# Allegro board RK_EVB1_RK3576_LP4XD200P132SD6_V12_20240530YWQ.brd (continued)
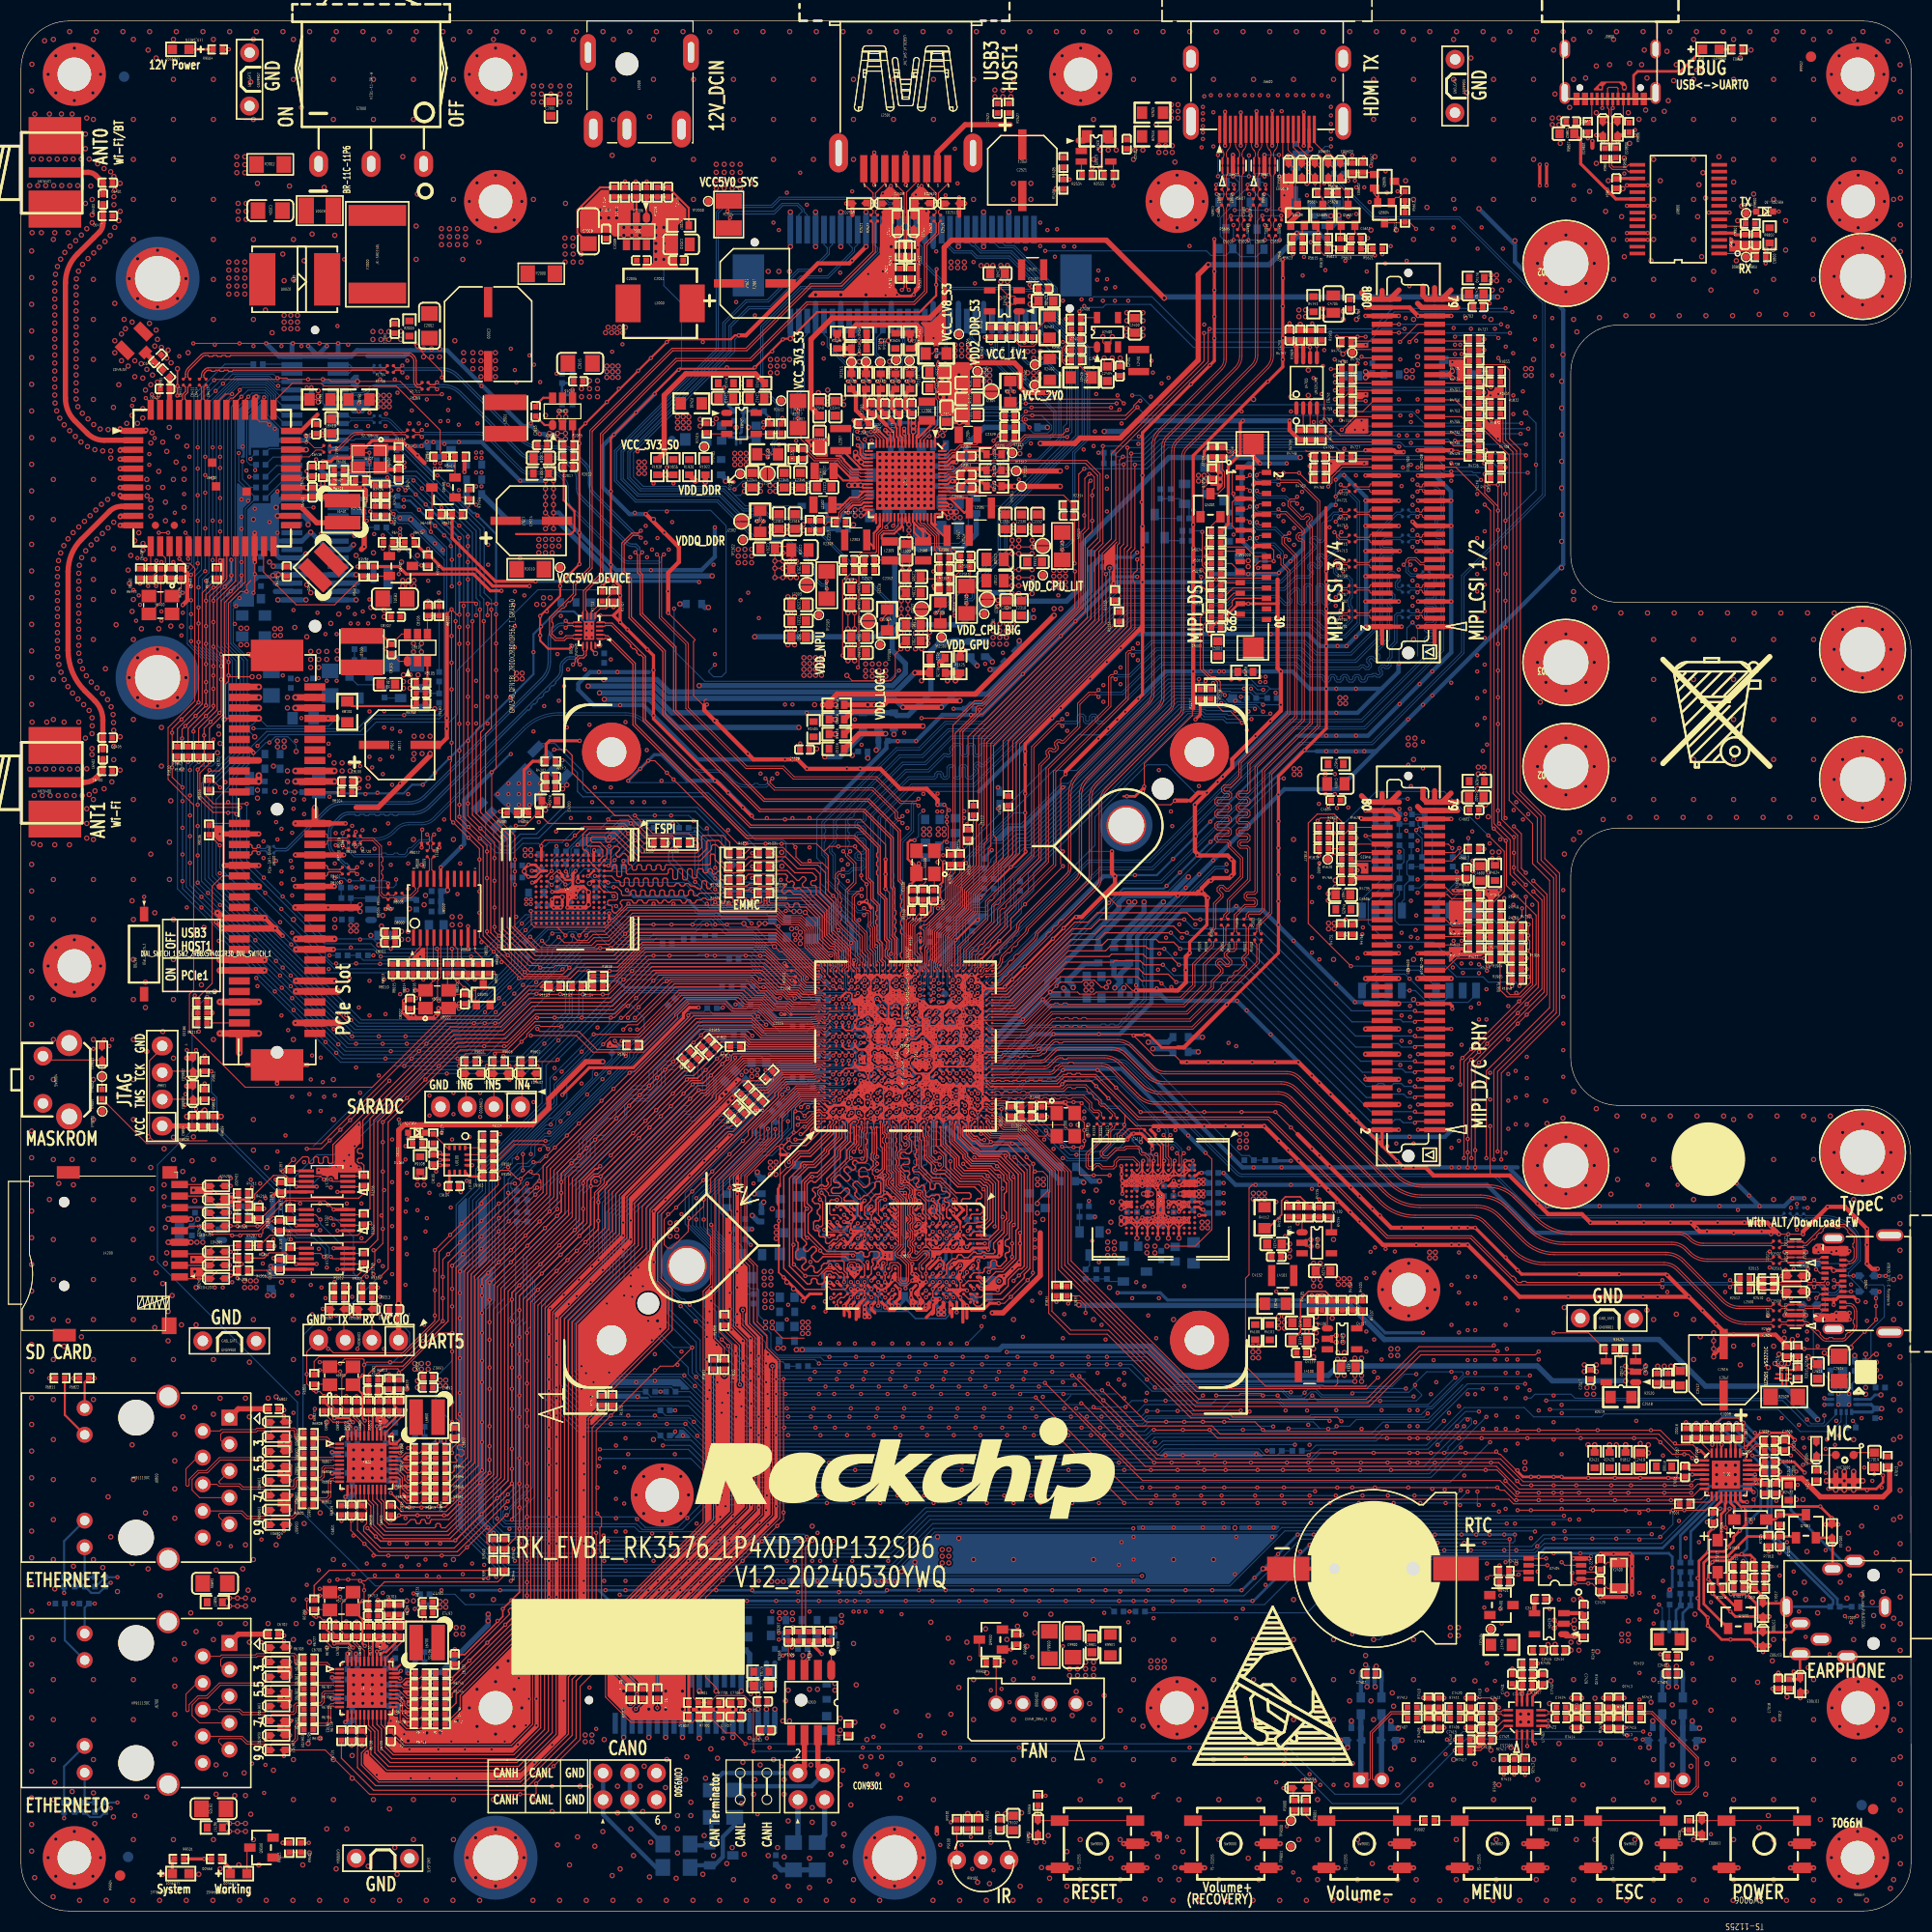
[diagram p0: board, top side]
## Routing (per net, layer and track width the routed paths; a pad name or vN(x,y) marks a point on that pad's centre or on a via; arc(x,y) is an arc through that point) (continued)
MIPI_DPHY_CSI0_RX_CLKN/MIPI_CPHY_CSI_RX_TRIO1_B: length 49.8
  TOP w0.114: CON4600.15 132.88,80 v1(132.76,79.88) ; v1(108.88,91.64) 107.36,91.64 107.1,91.89 103.74,91.89 103.29,91.44 99.75,91.44 94.53,86.22 U1000.AL22
  BOTTOM w0.114: v1(132.76,79.88) 131.87,79.88 131.55,80.19 130.66,80.19 130.34,79.88 127.75,79.88 116.88,90.75 109.77,90.75 v1(108.88,91.64)
MIPI_DPHY_CSI0_RX_CLKP/MIPI_CPHY_CSI_RX_TRIO1_C: length 50.2
  TOP w0.102: 92.62,86.49 92.22,86.49 U1000.AK22
  TOP w0.114: v1(110.4,91.64) 109.77,92.27 108.37,92.27 108.12,92.53 103.49,92.53 102.95,91.98 99.87,91.98 94.38,86.49 92.62,86.49 ; CON4600.17 132.88,80.8 v1(132.76,80.93)
  BOTTOM w0.114: v1(110.4,91.64) 116.88,91.64 127.59,80.93 v1(132.76,80.93)
MIPI_DPHY_CSI0_RX_D0N/MIPI_CPHY_CSI_RX_TRIO0_A: length 50
  TOP w0.114: CON4600.3 132.88,75.2 v1(132.76,75.08) ; v1(108.63,88.34) 108.37,88.59 106.72,88.59 106.34,88.97 98.98,88.97 95.12,85.12 U1000.AL20
  BOTTOM w0.114: v1(108.63,88.34) 109.39,87.57 116.12,87.57 128.62,75.08 129.04,75.08 129.34,75.38 129.8,75.38 130.1,75.08 130.56,75.08 130.86,75.38 131.32,75.38 131.63,75.08 v1(132.76,75.08)
MIPI_DPHY_CSI0_RX_D0P/MIPI_CPHY_CSI_RX_TRIO0_B: length 50.3
  TOP w0.102: 92.75,85.39 92.22,85.39 U1000.AK20
  TOP w0.114: 92.75,85.39 94.97,85.39 99.31,89.73 106.47,89.73 106.97,89.23 109.26,89.23 v1(110.02,88.46) ; CON4600.5 132.88,76 v1(132.76,76.13)
  BOTTOM w0.114: v1(110.02,88.46) 116.25,88.46 128.58,76.13 v1(132.76,76.13)
MIPI_DPHY_CSI0_RX_D1N/MIPI_CPHY_CSI_RX_TRIO0_C: length 49.8
  TOP w0.114: CON4600.9 132.88,77.6 v1(132.76,77.48) ; v1(108.75,90.11) 106.97,90.11 106.59,90.5 104.16,90.5 104.03,90.37 99.52,90.37 94.82,85.67 U1000.AL21
  BOTTOM w0.114: v1(132.76,77.48) 131.99,77.48 131.68,77.8 130.41,77.8 130.09,77.48 128.12,77.48 116.5,89.1 109.77,89.1 v1(108.75,90.11)
MIPI_DPHY_CSI0_RX_D1P/MIPI_CPHY_CSI_RX_TRIO1_A: length 50.7
  TOP w0.102: 92.75,85.94 92.22,85.94 U1000.AK21
  TOP w0.114: 92.75,85.94 94.67,85.94 99.64,90.91 103.63,90.91 103.86,91.13 106.85,91.13 107.23,90.75 109.64,90.75 v1(110.28,90.11) ; CON4600.11 132.88,78.4 v1(132.76,78.53)
  BOTTOM w0.114: v1(110.28,90.11) 116.5,90.11 128.08,78.53 128.98,78.53 129.26,78.81 129.72,78.81 130,78.53 130.47,78.53 130.75,78.81 131.46,78.81 131.74,78.53 v1(132.76,78.53)
MIPI_DPHY_CSI0_RX_D2N/MIPI_CPHY_CSI_RX_TRIO2_A: length 49.6
  TOP w0.114: v1(109.51,93.16) 103.25,93.16 102.61,92.52 99.98,92.52 94.23,86.77 U1000.AL23 ; CON4600.21 132.88,82.4 v1(132.76,82.28)
  BOTTOM w0.114: v1(109.51,93.16) 110.4,92.27 117.13,92.27 127.13,82.28 130.22,82.28 130.56,82.62 131.14,82.62 131.49,82.28 v1(132.76,82.28)
MIPI_DPHY_CSI0_RX_D2P/MIPI_CPHY_CSI_RX_TRIO2_B: length 50
  TOP w0.102: 92.75,87.04 92.22,87.04 U1000.AK23
  TOP w0.114: v1(132.76,83.33) 132.88,83.2 CON4600.23 ; 92.75,87.04 94.08,87.04 100.1,93.06 102.27,93.06 103,93.8 109.77,93.8 110.4,93.16 v1(111.04,93.16)
  BOTTOM w0.114: v1(132.76,83.33) 127.09,83.33 117.52,92.91 111.29,92.91 v1(111.04,93.16)
MIPI_DPHY_CSI0_RX_D3N/MIPI_CPHY_CSI_RX_TRIO2_C: length 49.4
  TOP w0.114: CON4600.27 132.88,84.8 v1(132.76,84.68) ; U1000.AL24 93.93,87.32 100.16,93.54 101.87,93.54 102.76,94.43 v1(110.78,94.43)
  BOTTOM w0.114: v1(110.78,94.43) 111.67,93.54 117.9,93.54 126.76,84.68 130.34,84.68 130.57,84.91 131.38,84.91 131.61,84.68 v1(132.76,84.68)
MIPI_DPHY_CSI0_RX_D3P/NO_USE: length 49.8
  TOP w0.102: U1000.AK24 92.22,87.59 92.75,87.59 92.75,87.59
  TOP w0.114: 92.75,87.59 93.78,87.59 100.37,94.18 101.62,94.18 102.51,95.07 111.04,95.07 111.67,94.43 v1(112.31,94.43) ; CON4600.29 132.88,85.6 v1(132.76,85.73)
  BOTTOM w0.114: v1(112.31,94.43) 118.02,94.43 126.72,85.73 v1(132.76,85.73)
MIPI_DPHY_CSI1/2_PWREN_H: length 214.5
  TOP w0.102: R4734.1 139.23,147.26 141.26,147.26 141.77,146.76 141.77,140.21 142.8,139.18 142.8,106.61 145.13,104.29 145.13,100.22 146.53,98.82 146.53,85.35 140.98,79.8 v1(140.98,71.57)
  TOP w0.114: R1940.2 v1(45.51,35.39) R1942.2
  L4-SIG w0.102: v1(140.76,38.04) 140.98,38.27 v1(140.98,71.57)
  BOTTOM w0.102: v1(140.76,38.04) 86.27,38.04 82.68,34.45 54.81,34.45 53.92,35.35 45.55,35.35 v1(45.51,35.39)
MIPI_DPHY_CSI1_CAM_CLKOUT: length 238.5
  TOP w0.102: v1(137.43,71.7) 137.43,80.89 144.5,87.97 144.5,96.05 141.82,98.73 141.82,102.02 140.28,103.56 140.28,133.86 136.63,137.52 CON4700.39
  L4-SIG w0.102: v1(137.43,46.17) v1(137.43,71.7)
  BOTTOM w0.102: v1(137.43,46.17) 133.61,42.36 67.81,42.36 63.42,46.75 53.6,46.75 50.64,49.71 50.64,56.77 55.36,61.49 55.36,67.47 63.53,75.64 64.05,75.64 65.98,77.57 65.98,79.35 67.65,81.02 67.65,81.51 67.79,81.66 71.24,81.66 71.47,81.43 R1952.2
MIPI_DPHY_CSI1_PDN_H: length 246
  TOP w0.102: R4730.1 141.73,138.66 141.73,105.78 143.96,103.55 143.96,99.76 145.58,98.14 145.58,86.03 139.56,80.01 v1(139.56,71.7) ; U1000.1C12 v1(77.94,81.47)
  L4-SIG w0.102: v1(139.56,47.06) v1(139.56,71.7)
  BOTTOM w0.102: v1(77.94,81.47) 77.55,81.86 67.49,81.86 65.32,79.69 65.32,77.88 63.62,76.18 63.15,76.18 54.53,67.55 54.53,62.64 49.92,58.04 49.92,49.28 53.17,46.04 63.14,46.04 67.52,41.65 134.15,41.65 v1(139.56,47.06)
MIPI_DPHY_CSI1_PWM: length 1.2
  TOP w0.102: R1831.2 R4755.1
MIPI_DPHY_CSI1_RX_CLKN: length 74.1
  TOP w0.089: v1(90.5,88.62) U1000.1AC23
  BOTTOM w0.089: R4708.1 134.29,127.34 134.52,127.34 134.79,127.07 134.79,126.2 134.57,125.98 133.96,125.98 133.87,125.9 133.87,125.72 133.96,125.63 134.57,125.63 134.79,125.41 134.79,125.05 134.57,124.83 133.96,124.83 133.87,124.74 133.87,124.56 133.96,124.47 134.57,124.47 134.79,124.25 134.79,123.89 134.57,123.67 133.96,123.67 133.87,123.58 133.87,123.4 133.96,123.31 134.57,123.31 134.79,123.09 134.79,122.73 134.57,122.51 133.96,122.51 133.87,122.42 133.87,122.06 133.96,121.97 134.44,121.97 134.66,121.75 134.66,121.39 134.44,121.17 133.96,121.17 133.87,121.08 133.87,120.9 133.96,120.81 134.44,120.81 134.66,120.59 134.66,120.23 134.44,120.01 133.96,120.01 133.87,119.92 133.87,119.39 127.74,113.26 120.91,113.26 107.52,99.87 101.68,99.87 95.05,93.24 95.05,93.05 94.85,92.85 94.66,92.85 94.46,92.65 94.46,92.46 94.27,92.27 94.08,92.27 93.88,92.07 93.88,91.88 93.68,91.68 93.49,91.68 93.29,91.48 93.29,91.29 93.1,91.1 92.91,91.1 92.26,90.45 92.26,90.26 92.06,90.06 91.87,90.06 91.68,89.87 90.78,89.87 90.18,89.27 90.18,89.08 90.5,88.76 v1(90.5,88.62)
MIPI_DPHY_CSI1_RX_CLKP: length 73.9
  TOP w0.089: v1(90.54,88.07) U1000.1AC22
  BOTTOM w0.089: R4710.1 134.29,127.11 134.43,127.11 134.56,126.98 134.56,126.3 134.48,126.21 133.86,126.21 133.64,125.99 133.64,125.63 133.86,125.41 134.48,125.41 134.56,125.32 134.56,125.14 134.48,125.05 133.86,125.05 133.64,124.83 133.64,124.47 133.86,124.25 134.48,124.25 134.56,124.16 134.56,123.98 134.48,123.89 133.86,123.89 133.64,123.67 133.64,123.31 133.86,123.09 134.48,123.09 134.56,123 134.56,122.82 134.48,122.73 133.86,122.73 133.64,122.51 133.64,121.97 133.86,121.75 134.35,121.75 134.44,121.66 134.44,121.48 134.35,121.39 133.86,121.39 133.64,121.17 133.64,120.81 133.86,120.59 134.35,120.59 134.44,120.5 134.44,120.32 134.35,120.23 133.86,120.23 133.64,120.02 133.64,119.48 127.64,113.48 120.82,113.48 107.43,100.1 101.59,100.1 91.58,90.09 90.69,90.09 89.96,89.36 89.96,88.99 90.15,88.8 90.15,88.46 v1(90.54,88.07)
MIPI_DPHY_CSI1_RX_D0N: length 73.8
  TOP w0.089: v1(99.17,112.86) 98.95,113.08 98.75,113.08 96.46,110.79 96.46,100.45 92.67,96.66 92.67,96.47 92.47,96.27 92.28,96.27 92.09,96.07 92.09,94.4 89.46,91.78 89.46,89.79 U1000.AE28
  BOTTOM w0.089: R4700.1 131.37,123.4 131.13,123.4 131.04,123.31 131.04,120.82 130.57,120.35 130.57,119.37 130.35,119.15 130.35,119.02 130.49,118.89 130.49,118.58 130.23,118.32 129.92,118.32 129.79,118.45 129.66,118.45 129.54,118.33 129.54,118.2 129.67,118.07 129.67,117.76 129.41,117.5 129.1,117.5 128.97,117.63 128.84,117.63 128.74,117.53 128.31,117.53 128.22,117.44 128.22,117.26 128,117.04 127.64,117.04 127.42,117.26 127.42,117.44 127.33,117.53 127.15,117.53 127.06,117.44 127.06,117.26 126.84,117.04 126.48,117.04 126.26,117.26 126.26,117.44 126.17,117.53 125.99,117.53 125.9,117.44 125.9,117.26 125.68,117.04 125.32,117.04 125.1,117.26 125.1,117.44 125.01,117.53 124.83,117.53 124.74,117.44 124.74,117.26 124.52,117.04 124.16,117.04 123.94,117.26 123.94,117.44 123.85,117.53 122.49,117.53 121.34,118.68 108.75,118.68 103.15,113.08 102.55,113.08 102.33,113.3 102.33,113.68 102.24,113.77 102.06,113.77 101.98,113.68 101.98,113.3 101.76,113.08 101.39,113.08 101.17,113.3 101.17,113.68 101.08,113.77 100.91,113.77 100.82,113.68 100.82,113.3 100.6,113.08 99.39,113.08 v1(99.17,112.86)
MIPI_DPHY_CSI1_RX_D0P: length 73.4
  TOP w0.089: v1(99.17,113.52) 98.95,113.31 98.66,113.31 96.24,110.89 96.24,100.54 91.86,96.17 91.86,94.49 89.24,91.87 89.24,90.11 U1000.AE29
  BOTTOM w0.089: R4704.1 131.37,123.63 131.04,123.63 130.82,123.41 130.82,120.91 130.35,120.45 130.35,119.46 130.13,119.24 130.13,118.93 130.26,118.8 130.26,118.67 130.14,118.55 130.01,118.55 129.88,118.68 129.57,118.68 129.31,118.42 129.31,118.11 129.44,117.98 129.44,117.85 129.32,117.73 129.19,117.73 129.06,117.86 128.75,117.86 128.65,117.76 128.21,117.76 127.99,117.54 127.99,117.35 127.91,117.26 127.73,117.26 127.64,117.35 127.64,117.54 127.42,117.76 127.06,117.76 126.84,117.54 126.84,117.35 126.75,117.26 126.57,117.26 126.48,117.35 126.48,117.54 126.26,117.76 125.9,117.76 125.68,117.54 125.68,117.35 125.59,117.26 125.41,117.26 125.32,117.35 125.32,117.54 125.1,117.76 124.74,117.76 124.52,117.54 124.52,117.35 124.43,117.26 124.25,117.26 124.16,117.35 124.16,117.54 123.94,117.76 122.58,117.76 121.43,118.91 108.66,118.91 103.06,113.31 102.64,113.31 102.55,113.39 102.55,113.77 102.33,113.99 101.97,113.99 101.75,113.77 101.75,113.39 101.66,113.31 101.49,113.31 101.4,113.39 101.4,113.77 101.18,113.99 100.81,113.99 100.59,113.77 100.59,113.39 100.5,113.31 99.39,113.31 v1(99.17,113.52)
MIPI_DPHY_CSI1_RX_D1N: length 76
  TOP w0.089: v1(102.62,115.63) 102.4,115.85 101.78,115.85 100.85,114.91 100.85,112.74 99.33,111.22 99.02,111.22 98.91,111.33 98.79,111.33 98.66,111.2 98.66,111.08 98.77,110.97 98.77,110.66 98.51,110.41 98.2,110.41 98.09,110.51 97.97,110.51 97.84,110.38 97.84,110.26 97.95,110.15 97.95,109.84 97.16,109.05 97.16,100.16 93.25,96.26 93.25,96.07 93.05,95.87 92.86,95.87 92.66,95.67 92.66,94.16 90.01,91.5 90.01,89.79 U1000.AF28
  BOTTOM w0.089: v1(102.62,115.63) 102.84,115.85 104.93,115.85 108.46,119.38 121.63,119.38 122.77,118.23 127.47,118.23 127.69,118.45 127.82,118.45 128.04,118.23 128.36,118.23 128.61,118.48 128.61,118.79 128.39,119.02 128.39,119.15 128.51,119.27 128.64,119.27 128.86,119.05 129.17,119.05 129.43,119.3 129.43,119.61 129.2,119.84 129.2,119.96 130.35,121.11 130.35,123.65 130.57,123.87 130.57,124.18 130.35,124.4 130.35,124.66 130.44,124.75 130.63,124.75 130.85,124.97 130.85,125.33 130.63,125.55 130.44,125.55 130.35,125.64 130.35,127.25 130.44,127.34 130.65,127.34 131.11,126.88 131.11,126.75 130.88,126.53 130.88,126.02 131.1,125.8 131.37,125.8 R4706.1
MIPI_DPHY_CSI1_RX_D1P: length 75.6
  TOP w0.089: v1(102.62,116.29) 102.4,116.07 101.69,116.07 100.62,115.01 100.62,112.84 99.24,111.45 99.11,111.45 99.01,111.55 98.7,111.55 98.44,111.3 98.44,110.99 98.54,110.88 98.54,110.76 98.42,110.63 98.29,110.63 98.19,110.73 97.88,110.73 97.62,110.48 97.62,110.17 97.72,110.06 97.72,109.94 96.93,109.14 96.93,100.26 92.44,95.76 92.44,94.25 89.79,91.59 89.79,90.11 U1000.AF29
  BOTTOM w0.089: R4703.1 131.37,126.03 131.19,126.03 131.1,126.12 131.1,126.44 131.33,126.66 131.33,126.97 130.74,127.56 130.34,127.56 130.12,127.34 130.12,125.55 130.34,125.33 130.54,125.33 130.63,125.24 130.63,125.06 130.54,124.98 130.34,124.98 130.12,124.76 130.12,124.31 130.35,124.09 130.35,123.96 130.12,123.74 130.12,121.2 128.98,120.06 128.98,119.75 129.21,119.52 129.21,119.39 129.08,119.27 128.96,119.27 128.73,119.49 128.42,119.49 128.16,119.24 128.16,118.93 128.39,118.7 128.39,118.58 128.26,118.45 128.14,118.45 127.91,118.68 127.6,118.68 127.38,118.45 122.87,118.45 121.72,119.6 108.37,119.6 104.84,116.07 102.84,116.07 v1(102.62,116.29)
MIPI_DPHY_CSI1_RX_D2N/MIPI_DPHY_CSI2_RX_D0N: length 75.2
  TOP w0.089: v1(104.25,117.31) 104.03,117.53 103.89,117.53 103.8,117.44 103.8,114.71 97.85,108.76 97.85,99.88 93.81,95.84 93.81,95.65 93.62,95.45 93.43,95.45 93.23,95.26 93.23,93.89 91.8,92.47 91.8,92.28 91.59,92.06 91.4,92.06 91.18,91.85 91.18,91.66 90.97,91.44 90.78,91.44 90.56,91.23 90.56,89.79 U1000.AG28
  BOTTOM w0.089: R4712.1 131.37,130.6 130,130.6 129.65,130.26 129.65,129.97 129.74,129.88 130.5,129.88 130.72,129.66 130.72,129.3 130.5,129.08 129.74,129.08 129.65,128.99 129.65,121.43 127.15,118.92 123.06,118.92 121.91,120.07 108.17,120.07 105.63,117.53 104.47,117.53 v1(104.25,117.31)
MIPI_DPHY_CSI1_RX_D2P/MIPI_DPHY_CSI2_RX_D0P: length 74.6
  TOP w0.089: v1(104.25,117.97) 104.03,117.75 103.8,117.75 103.58,117.53 103.58,114.81 97.63,108.86 97.63,99.97 93,95.35 93,93.99 90.34,91.32 90.34,90.11 U1000.AG29
  BOTTOM w0.089: R4714.1 131.37,130.83 129.91,130.83 129.43,130.35 129.43,129.88 129.65,129.66 130.41,129.66 130.5,129.57 130.5,129.39 130.41,129.3 129.65,129.3 129.43,129.08 129.43,121.52 127.05,119.15 123.15,119.15 122.01,120.29 108.08,120.29 105.54,117.75 104.47,117.75 v1(104.25,117.97)
MIPI_DPHY_CSI1_RX_D3N/MIPI_DPHY_CSI2_RX_D1N: length 74.6
  TOP w0.089: v1(105.9,119.6) 105.68,119.81 105.56,119.81 105.45,119.71 105.45,115.38 98.54,108.48 98.54,99.59 93.92,94.97 93.92,93.7 92.35,92.13 92.35,91.94 92.14,91.72 91.95,91.72 91.73,91.51 91.73,91.32 91.52,91.1 91.33,91.1 91.11,90.89 91.11,89.96 90.84,89.69 U1000.AH28
  BOTTOM w0.089: R4716.1 131.37,133 131.07,133 128.96,130.9 128.96,121.88 126.7,119.62 123.35,119.62 122.2,120.76 107.74,120.76 106.79,119.81 106.12,119.81 v1(105.9,119.6)
MIPI_DPHY_CSI1_RX_D3P/MIPI_DPHY_CSI2_RX_D1P: length 74.1
  TOP w0.089: v1(105.9,120.25) 105.68,120.04 105.46,120.04 105.23,119.8 105.23,115.48 98.32,108.57 98.32,99.68 93.7,95.06 93.7,93.79 90.89,90.98 90.89,90.11 U1000.AH29
  BOTTOM w0.089: v1(105.9,120.25) 106.12,120.04 106.69,120.04 107.64,120.99 122.29,120.99 123.44,119.84 126.6,119.84 128.74,121.97 128.74,130.99 130.98,133.23 131.37,133.23 R4718.1
MIPI_DPHY_CSI2_CAM_CLKOUT: length 225.2
  TOP w0.102: R4752.1 141.02,136.32 141.02,103.96 142.53,102.44 142.53,99.11 145.06,96.59 145.06,87.52 138.14,80.6 v1(138.14,71.7)
  L4-SIG w0.102: v1(137.78,39.95) 138.14,40.31 v1(138.14,71.7)
  BOTTOM w0.102: v1(137.77,39.95) 137.04,39.21 65.85,39.21 62.97,36.33 59.16,36.33 58.62,36.87 46.16,36.87 45.71,37.33 45.71,40.27 46.4,40.97 46.4,56.35 47.11,57.06 47.11,64.47 47.21,64.57 R1901.2 R1902.2
MIPI_DPHY_CSI2_CAM_CLKOUT_CON: length 3.2
  TOP w0.102: R4752.2 R4754.1 C4708.1 R4726.1
MIPI_DPHY_CSI2_PDN_H: length 166
  TOP w0.102: R4732.1 139.28,143.02 v1(139.28,143.05)
  L4-SIG w0.102: v1(35.73,98.24) 35.73,119.71 40.68,124.66 40.68,128.98 41.32,129.61 41.32,142.44 42.59,143.71 46.4,143.71 50.59,147.9 57.57,147.9 69.51,159.84 70.91,159.84 71.29,159.46 97.2,159.46 102.64,154.02 102.64,147.54 v1(105.83,144.34)
  BOTTOM w0.102: v1(105.83,144.34) 106.58,144.34 107.47,143.45 138.88,143.45 v1(139.28,143.05) ; R1941.2 35.47,97.48 35.73,97.73 v1(35.73,98.24)
MIPI_DPHY_CSI2_PWM: length 1.2
  TOP w0.102: R4757.1 R1833.2
MIPI_DPHY_CSI2_RX_CLKN: length 76.9
  TOP w0.089: v1(91.11,88.04) 91.11,88.03 U1000.1AD22
  BOTTOM w0.089: R4720.1 134.62,135.4 134.78,135.4 135.26,134.92 135.26,134.64 135.12,134.51 135.12,134.23 135.26,134.09 135.26,133.81 135.12,133.68 135.12,133.4 135.26,133.27 135.26,132.75 135.17,132.66 134.88,132.66 134.66,132.44 134.66,132.08 134.88,131.86 135.17,131.86 135.26,131.77 135.26,131.59 135.17,131.5 134.88,131.5 134.66,131.28 134.66,130.92 134.88,130.7 135.17,130.7 135.26,130.61 135.26,130.43 135.17,130.34 134.88,130.34 134.66,130.12 134.66,129.76 134.88,129.54 135.17,129.54 135.26,129.45 135.26,120.11 127.93,112.79 121.1,112.79 107.72,99.4 102.76,99.4 93.74,90.38 93.54,90.38 93.35,90.18 93.35,89.99 93.15,89.79 92.96,89.79 92.76,89.59 92.76,89.4 92.56,89.21 92.37,89.21 92.18,89.01 92.18,88.82 91.98,88.62 91.79,88.62 91.59,88.42 91.59,88.23 91.39,88.04 v1(91.11,88.04)
MIPI_DPHY_CSI2_RX_CLKP: length 77.1
  TOP w0.089: v1(91.1,87.42) U1000.1AD21
  BOTTOM w0.089: v1(91.1,87.42) 102.85,99.18 107.81,99.18 121.2,112.56 128.02,112.56 135.48,120.02 135.48,129.54 135.26,129.76 134.97,129.76 134.88,129.85 134.88,130.03 134.97,130.12 135.26,130.12 135.48,130.34 135.48,130.7 135.26,130.92 134.97,130.92 134.88,131.01 134.88,131.19 134.97,131.28 135.26,131.28 135.48,131.5 135.48,131.86 135.26,132.08 134.97,132.08 134.88,132.17 134.88,132.35 134.97,132.44 135.26,132.44 135.48,132.66 135.48,135.01 134.87,135.63 134.62,135.63 R4722.1
MIPI_DPHY_CSI3/4_PWREN_H: length 29.6
  TOP w0.102: R1946.2 141.26,97.11 141.26,100.91 v1(139.74,102.43) ; R4766.1 v1(125.78,99.64) R4735.2
  BOTTOM w0.102: v1(139.74,102.43) 135.55,106.62 129.07,106.62 125.78,103.34 v1(125.78,99.64)
MIPI_DPHY_CSI3_CAM_CLKOUT: length 195.4
  TOP w0.102: CON4700.40 129.63,137.51 125.84,137.51 124.86,136.54 124.86,136.02 v1(124.5,135.66)
  L4-SIG w0.102: v1(119.26,46.14) 119.07,46.33 119.07,62.45 123.3,66.68 123.3,99.82 123.07,100.06 123.07,104.4 124.7,106.04 124.7,126.69 123.96,127.44 123.96,131.62 124.5,132.16 v1(124.5,135.66)
  BOTTOM w0.102: v1(119.26,46.14) 119.22,46.18 107.49,46.18 106.98,45.67 69.01,45.67 63.54,51.14 63.54,51.76 57.83,57.48 57.83,58.68 58.43,59.28 58.43,66.46 66.72,74.75 67.84,74.75 72.46,79.37 R1953.2
MIPI_DPHY_CSI3_PDN_H: length 170.6
  TOP w0.102: R4765.1 v1(126.28,93.02) R4731.2 ; U1000.1D10 v1(78.84,81)
  L4-SIG w0.102: v1(126.28,93.02) 126.02,92.76 126.02,69.29 124.5,67.76 124.5,66.17 121.9,63.57 121.9,44.98 v1(121.33,44.41)
  BOTTOM w0.102: v1(78.84,81) 78.29,80.45 72.36,80.45 67.85,75.95 66.04,75.95 56.38,66.29 56.38,60.6 52.06,56.28 52.06,50.54 54.02,48.59 63.59,48.59 68.33,43.84 108.26,43.84 108.83,44.42 121.32,44.42 v1(121.33,44.41)
MIPI_DPHY_CSI3_PWM: length 44.6
  TOP w0.102: v1(128.06,143.81) R4761.1
  L4-SIG w0.102: v1(131.93,102.88) 128.95,105.87 128.95,142.93 v1(128.06,143.81)
  BOTTOM w0.102: R1839.2 v1(131.93,102.88)
MIPI_DPHY_CSI3_RX_CLKN: length 84.9
  TOP w0.089: R4709.2 126.29,128.21 125.9,128.21 125.61,128.5 125.31,128.5 125.22,128.41 125.22,128.27 v1(125.44,128.05) ; U1000.1H23 v1(81.5,88.62)
  BOTTOM w0.089: v1(81.5,88.62) 81.4,88.72 81.4,89.07 81.53,89.2 81.53,89.5 81.4,89.64 81.4,89.95 81.53,90.09 81.53,90.39 81.4,90.53 81.4,91.06 80.78,91.67 80.78,91.95 80.92,92.08 80.92,92.36 80.78,92.5 80.78,92.78 80.92,92.91 80.92,93.19 80.78,93.32 80.78,93.83 81.16,94.21 81.16,104.36 84.6,107.79 87.03,107.79 87.25,108.01 87.25,108.22 87.34,108.31 87.52,108.31 87.61,108.22 87.61,108.01 87.83,107.79 88.19,107.79 88.41,108.01 88.41,108.85 88.5,108.94 88.68,108.94 88.77,108.85 88.77,108.01 88.99,107.79 89.35,107.79 89.57,108.01 89.57,108.85 89.66,108.94 89.84,108.94 89.92,108.85 89.92,108.01 90.14,107.79 90.52,107.79 91.14,108.41 91.14,108.72 90.93,108.93 90.93,109.06 91.05,109.18 91.18,109.18 91.39,108.97 91.7,108.97 105.66,122.94 123.1,122.94 124.02,122.02 125.93,122.02 126.79,122.88 126.79,124.21 126.63,124.37 126.63,124.92 126.79,125.07 126.79,126.82 126.44,127.17 125.61,127.17 125.22,127.56 125.22,127.83 v1(125.44,128.05)
MIPI_DPHY_CSI3_RX_CLKP: length 85.5
  TOP w0.089: v1(124.78,128.05) 125,128.27 125,128.5 125.22,128.72 125.71,128.72 125.99,128.44 126.31,128.44 R4711.2 ; v1(81.5,88.02) U1000.1H22
  BOTTOM w0.089: v1(124.78,128.05) 125,127.83 125,127.46 125.52,126.94 126.34,126.94 126.56,126.72 126.56,125.17 126.41,125.01 126.41,124.28 126.56,124.12 126.56,122.97 125.84,122.25 124.11,122.25 123.19,123.16 105.57,123.16 91.61,109.19 91.48,109.19 91.27,109.4 90.96,109.4 90.7,109.15 90.7,108.84 90.91,108.63 90.91,108.5 90.43,108.02 90.24,108.02 90.15,108.11 90.15,108.94 89.93,109.16 89.57,109.16 89.35,108.94 89.35,108.11 89.26,108.02 89.08,108.02 88.99,108.11 88.99,108.94 88.77,109.16 88.41,109.16 88.19,108.94 88.19,108.11 88.1,108.02 87.92,108.02 87.83,108.11 87.83,108.31 87.61,108.53 87.25,108.53 87.03,108.31 87.03,108.11 86.94,108.02 84.51,108.02 80.94,104.45 80.94,94.31 80.56,93.92 80.56,91.58 81.17,90.96 81.17,88.44 81.5,88.11 v1(81.5,88.02)
MIPI_DPHY_CSI3_RX_D0N: length 81.4
  TOP w0.089: v1(125.68,123.19) 125.9,123.4 126.3,123.4 R4701.2 ; v1(78.29,98.56) 78.07,98.78 77.94,98.78 77.76,98.6 77.76,98.32 77.9,98.19 77.9,97.91 77.76,97.78 77.76,97.25 78.02,96.99 78.02,96.51 78.15,96.38 78.15,96.1 78.02,95.97 78.02,95.69 78.15,95.55 78.15,95.27 78.02,95.14 78.02,94.86 78.15,94.72 78.15,94.44 78.02,94.31 78.02,94.03 79.66,92.39 79.66,91.02 79.9,90.78 79.9,90.12 U1000.H29
  BOTTOM w0.089: v1(78.29,98.56) 78.5,98.78 78.87,98.78 79.22,99.13 80.12,99.13 80.47,99.48 80.47,100.07 80.25,100.29 79.73,100.29 79.64,100.38 79.64,100.56 79.73,100.65 80.25,100.65 80.47,100.87 80.47,101.96 80.25,102.18 79.73,102.18 79.64,102.27 79.64,102.45 79.73,102.54 80.25,102.54 80.47,102.76 80.47,103.12 80.25,103.34 79.73,103.34 79.64,103.43 79.64,103.61 79.73,103.69 80.25,103.69 80.47,103.91 80.47,104.65 84.31,108.49 86.46,108.49 87.97,109.99 88.1,109.99 88.18,109.91 88.49,109.91 88.75,110.17 88.75,110.48 88.67,110.56 88.67,110.69 88.96,110.98 89.4,110.98 89.49,110.89 89.49,110.15 89.71,109.93 90.07,109.93 90.29,110.15 90.29,110.89 90.38,110.98 90.56,110.98 90.65,110.89 90.65,110.15 90.87,109.93 91.23,109.93 91.45,110.15 91.45,110.89 91.54,110.98 92.73,110.98 105.38,123.63 123.84,123.63 124.15,123.31 124.15,122.97 124.37,122.75 124.74,122.75 124.96,122.97 124.96,123.31 125.05,123.4 125.46,123.4 v1(125.68,123.19)
MIPI_DPHY_CSI3_RX_D0P: length 82
  TOP w0.089: v1(78.29,99.22) 78.07,99 77.85,99 77.54,98.7 77.54,97.16 77.8,96.9 77.8,93.94 79.44,92.3 79.44,90.92 79.67,90.69 79.67,90.31 79.57,90.21 79.57,89.91 79.84,89.64 U1000.H28 ; R4705.2 126.3,123.63 125.9,123.63 v1(125.68,123.84)
  BOTTOM w0.089: v1(78.29,99.22) 78.5,99 78.78,99 79.13,99.35 80.03,99.35 80.25,99.57 80.25,99.98 80.16,100.07 79.64,100.07 79.42,100.29 79.42,100.65 79.64,100.87 80.16,100.87 80.25,100.96 80.25,101.87 80.16,101.96 79.64,101.96 79.42,102.18 79.42,102.54 79.64,102.76 80.16,102.76 80.25,102.85 80.25,103.03 80.16,103.12 79.64,103.12 79.42,103.34 79.42,103.7 79.64,103.92 80.16,103.92 80.25,104.01 80.25,104.74 84.22,108.71 86.37,108.71 87.88,110.22 88.19,110.22 88.27,110.14 88.4,110.14 88.52,110.26 88.52,110.39 88.44,110.47 88.44,110.78 88.87,111.21 89.5,111.21 89.72,110.99 89.72,110.24 89.8,110.15 89.98,110.15 90.07,110.24 90.07,110.99 90.29,111.21 90.65,111.21 90.87,110.99 90.87,110.24 90.96,110.15 91.14,110.15 91.23,110.24 91.23,110.99 91.45,111.21 92.64,111.21 105.29,123.85 123.93,123.85 124.38,123.41 124.38,123.07 124.47,122.98 124.64,122.98 124.73,123.07 124.73,123.41 124.95,123.63 125.46,123.63 v1(125.68,123.84)
MIPI_DPHY_CSI3_RX_D1N: length 83.2
  TOP w0.089: R4702.2 126.3,125.8 125.9,125.8 v1(125.68,125.59) ; U1000.J29 80.35,90.11 80.35,90.22 80.43,90.31 80.43,90.94 80.12,91.25 80.12,92.84 78.75,94.21 78.75,97.13 79.51,97.9 79.51,99.82 78.75,100.58 78.75,100.7 v1(78.97,100.92)
  BOTTOM w0.089: v1(78.97,100.92) 78.75,101.14 78.75,101.42 78.88,101.55 78.88,101.83 78.75,101.97 78.75,102.25 78.88,102.38 78.88,102.66 78.75,102.8 78.75,103.08 78.88,103.21 78.88,103.49 78.75,103.62 78.75,103.91 78.95,104.1 79.14,104.1 79.34,104.3 79.34,104.49 84.02,109.18 86.18,109.18 88.67,111.68 92.44,111.68 105.09,124.32 114.96,124.32 115.7,125.07 119.64,125.07 120.36,124.36 120.77,124.36 121.03,124.61 121.03,124.93 120.81,125.14 120.81,125.26 121.35,125.8 121.5,125.8 121.59,125.71 121.59,124.62 121.81,124.4 122.17,124.4 122.39,124.62 122.39,126.1 122.48,126.18 122.66,126.18 122.75,126.1 122.75,124.62 122.97,124.4 123.33,124.4 123.55,124.62 123.55,126.1 123.64,126.18 123.82,126.18 123.91,126.1 123.91,124.62 124.13,124.4 124.49,124.4 124.71,124.62 124.71,125.8 124.86,125.96 125.04,125.96 125.2,125.8 125.46,125.8 v1(125.68,125.59)
MIPI_DPHY_CSI3_RX_D1P: length 83.8
  TOP w0.089: U1000.J28 80.39,89.65 80.12,89.91 80.12,90.31 80.21,90.4 80.21,90.85 79.9,91.16 79.9,92.74 78.53,94.12 78.53,97.23 79.29,97.99 79.29,99.72 78.53,100.49 78.53,100.7 v1(78.31,100.92) ; v1(125.68,126.24) 125.9,126.03 126.3,126.03 R4707.2
  BOTTOM w0.089: v1(125.68,126.24) 125.46,126.03 125.29,126.03 125.14,126.18 124.77,126.18 124.49,125.9 124.49,124.72 124.4,124.63 124.22,124.63 124.13,124.72 124.13,126.19 123.91,126.41 123.55,126.41 123.33,126.19 123.33,124.72 123.24,124.63 123.06,124.63 122.97,124.72 122.97,126.19 122.75,126.41 122.39,126.41 122.17,126.19 122.17,124.72 122.08,124.63 121.9,124.63 121.81,124.72 121.81,125.81 121.59,126.03 121.26,126.03 120.59,125.36 120.59,125.05 120.8,124.83 120.8,124.71 120.68,124.58 120.45,124.58 119.74,125.29 115.61,125.29 114.87,124.55 105,124.55 92.35,111.9 88.58,111.9 86.08,109.4 83.93,109.4 78.53,104 78.53,101.14 v1(78.31,100.92)
MIPI_DPHY_CSI3_RX_D2N/MIPI_DPHY_CSI4_RX_D0N: length 81.7
  TOP w0.089: v1(125.09,131.31) 125.3,131.1 125.3,130.88 125.58,130.6 126.3,130.6 R4713.2 ; U1000.K29 80.9,90.11 80.9,91.24 80.58,91.55 80.58,93.17 79.38,94.37 79.38,96.53 79.72,96.88 79.85,96.88 v1(80.06,96.66)